# Altium PCB Arribada-PMP-PCB_ALEKSEJ_nov.-02-115654-2020_Conflict.PcbDoc (part 3 of 4)
Units mm, origin at the board's own origin, x right, y up, seen from the top; angles counter-clockwise.
Board outline 176.52 x 112.75 mm, 2 copper layers (Top Layer, Bottom Layer), stack 1.671 mm thick; 155 components, 107 nets, 633 pads, 982 vias.
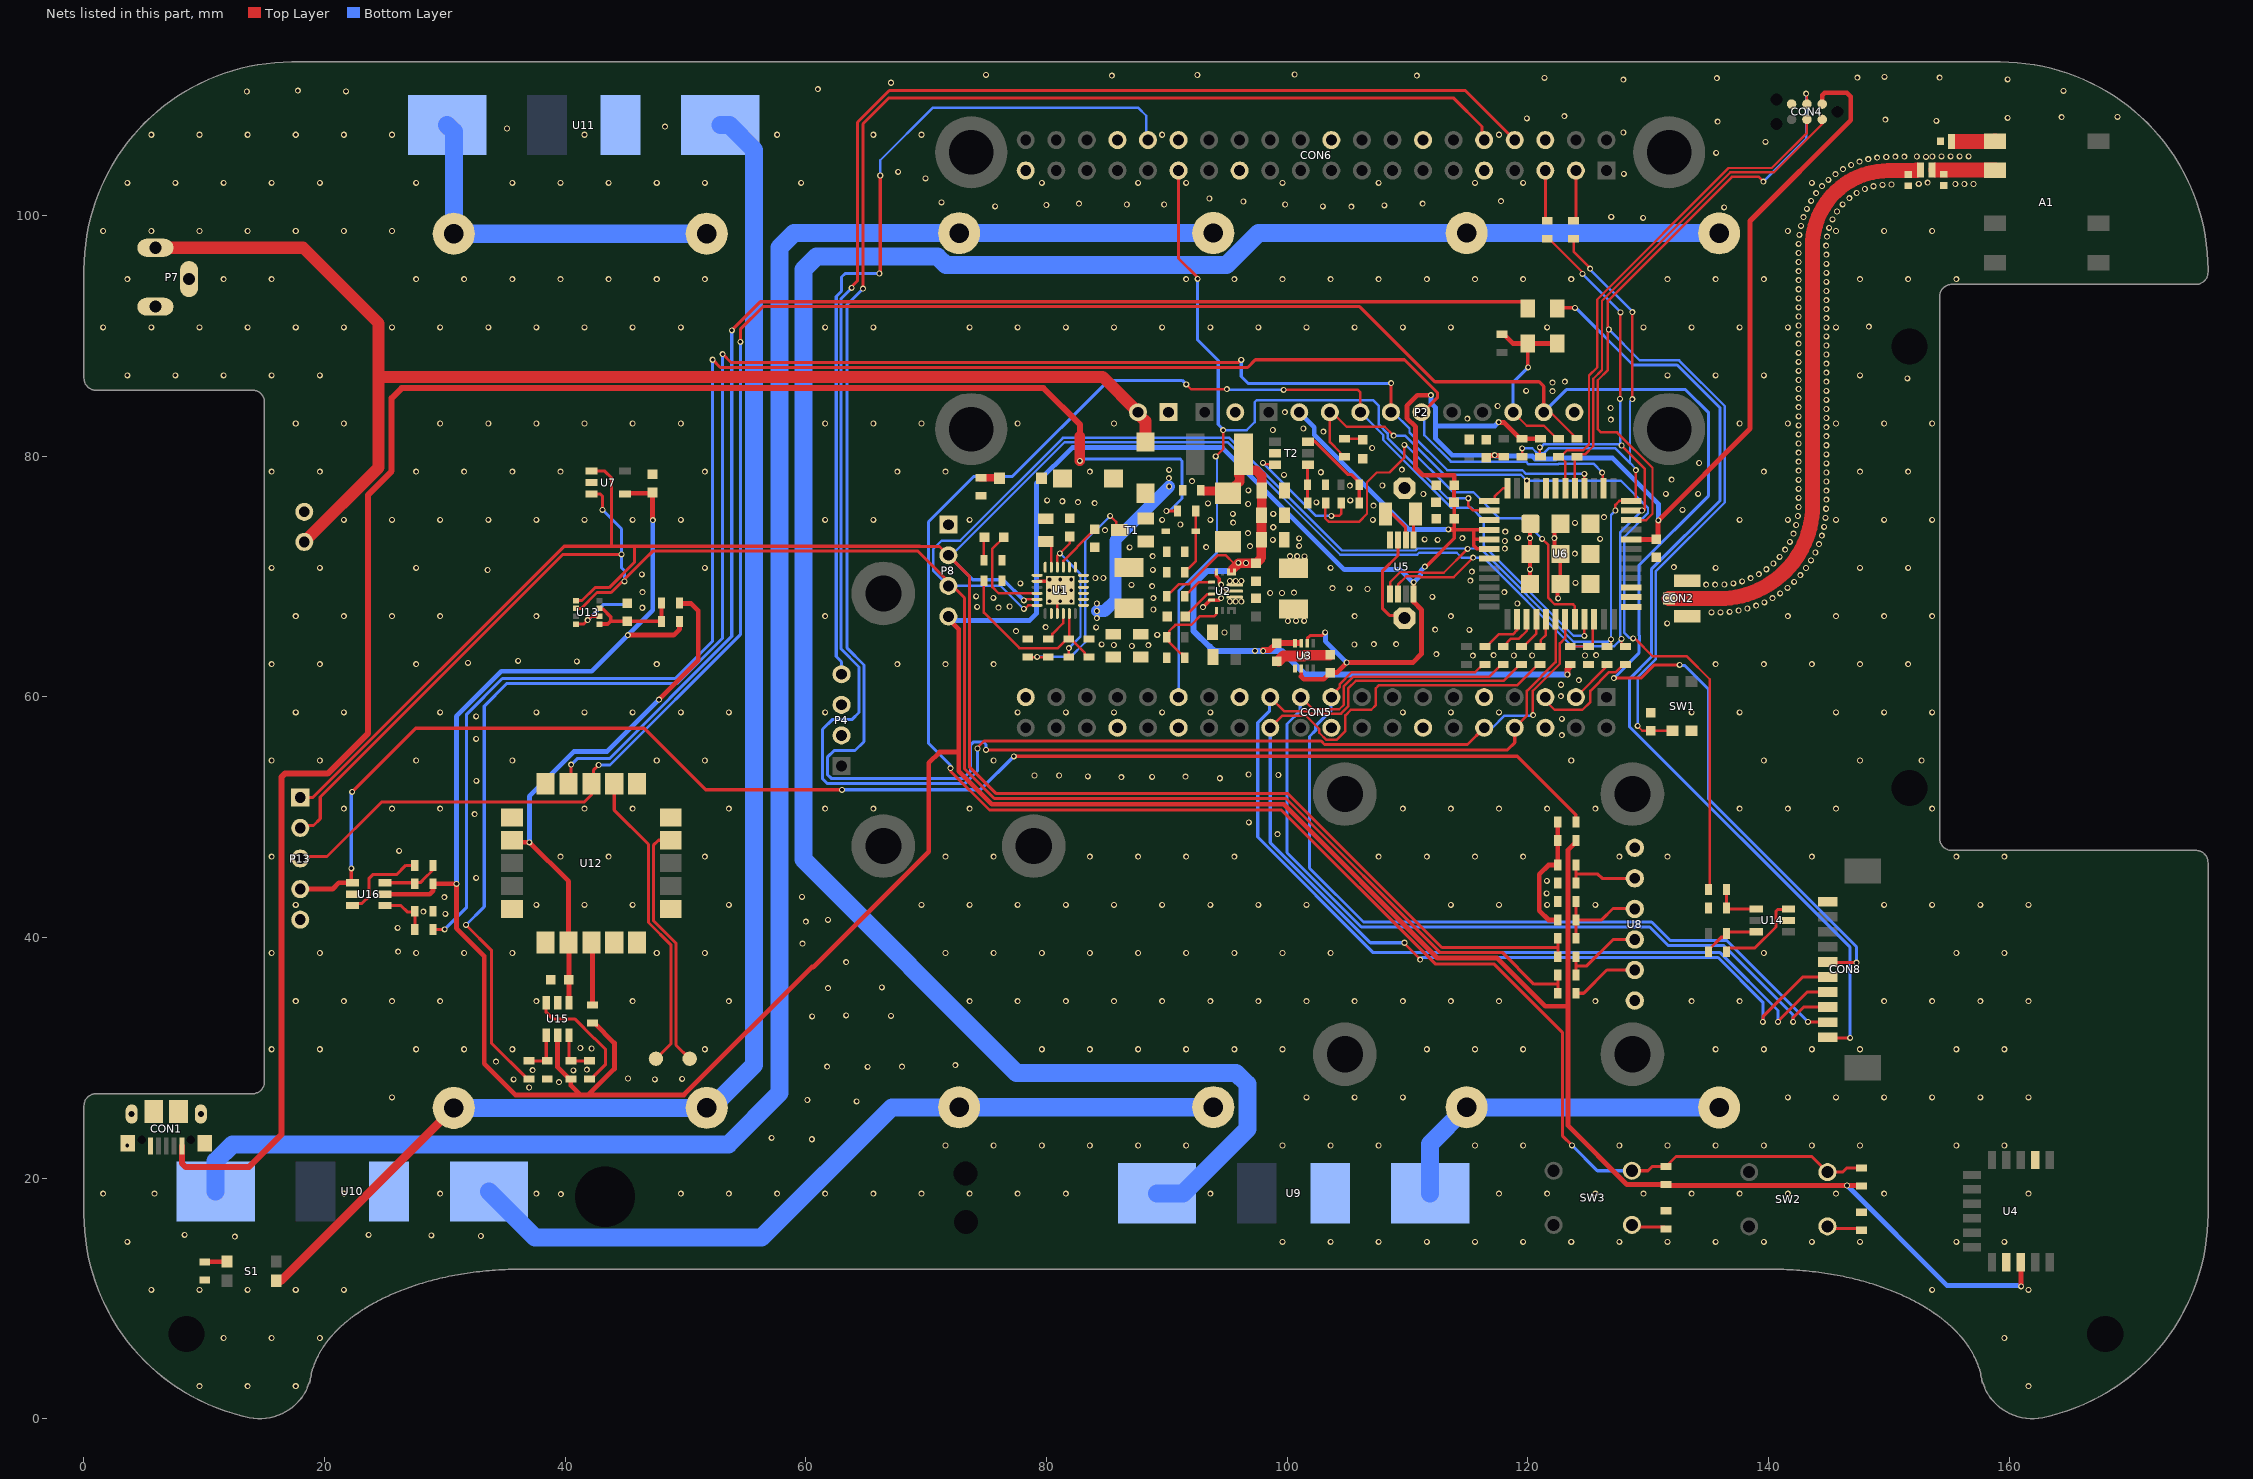
[diagram p3: the nets of this part, all layers, seen from the top]

## Via types
v1: diameter 0.5, hole 0.3, Top Layer to Bottom Layer, tented both sides, 970 vias
v2: diameter 0.7, hole 0.5, Top Layer to Bottom Layer, tented both sides, 10 vias
v3: diameter 0.5, hole 0.3, Top Layer to Bottom Layer, 2 vias

## Nets (pads, with @x,y where several pads share a name; then routed paths per layer and width w, separated by ;. In a path a pad name is that pad's centre, name@x,y a point inside that pad or via, vN(x,y) a via of type N, cw(c..) or ccw(c..) an arc to the next point about the centre after c; other vN are vias at no path point) (continued)
GND: C1.2 C2.2 C4.2 C5.2 C6.1 C7.1 C8.1 C9.1 C10.1 C11.1 C12.1 C13.1 C14.2 C15.2 C16.1 C17.1 C18.1 C19.1 C20.1 C22.2 C23.2 C24.1 C25.1 C26.1 CON1.5 CON1.6 CON1.7 CON1.8 CON1.9 CON1.10 CON1.11 CON2.2 CON3.NEG CON4.5 CON5.6 CON5.9 CON5.14 CON5.20 CON5.25 CON5.30 CON5.34 CON5.39 CON6.6 CON6.9 CON6.14 CON6.20 CON6.25 CON6.30 CON6.34 CON6.39 CON7.2 CON8.10 D1.2 D7.1 L3.1 L4.1 L5.1 P1.2 P2.11 P3.1 P4.2 P4.3 P7.2 P7.3 P8.1 P13.5 R2.1 R8.1 R10.1 R12.1 R13.1 R14.1 R15.1 R20.2 R32.1 R39.1 R40.2 R41.1 R47.2 R49.2 R51.2 R53.2 R62.2 SW1.1 T1.2 T2.5 U1.2 U1.8 U1.9 U1.17 U1.18 U1.25 U2.4 U2.10 U2.15 U3.0 U3.1 U4.2 U4.13 U5.4 U6.3 U6.7 U6.25 U6.27 U6.43 U6.44 U6.49 U6.50 U6.51 U6.52 U6.53 U6.54 U6.55 U6.56 U6.57 U7.2 U8.1 U8.6 U9.3 U10.3 U11.3 U12.1 U12.4 U12.5 U12.6 U12.10 U12.11 U12.15 U12.16 U12.20 U13.1 U13.7 U14.5 U15.5 U16.5 | length 30.1
  Top Layer w0.203: U1.9@80.887,66.926 80.887,68.601 v1(81.137,68.851)
  Top Layer w0.254: U13.1@40.89,66.046 41.535,66.046 v1(41.86,66.371) 42.185,66.696 U13.7@42.83,66.696
  Top Layer w0.3: U1.2@79.212,69.601 80.387,69.601 v1(81.137,68.851) ; v1(92.997,67.451) 93.577,68.031 U2.4@93.714,68.031 94.342,68.031 v1(94.507,68.196) ; U2.15@94.114,70.381 94.114,70.052 94.357,69.81 94.357,69.471 v1(94.507,69.321) ; C13.1@99.112,62.963 C13.1@99.262,62.963 ; U3.0@101.397,63.401 U3.0@101.45,63.454 ; C14.2@103.53,63.454 C14.2@103.584,63.508 ; U6.55@120.174,69.381 v1(120.174,70.591) 120.174,74.356 U6.49@120.199,74.381 ; v1(122.517,68.181) 122.517,68.168 122.454,68.105 122.454,69.136 U6.56@122.699,69.381 U6.53@122.699,71.881 122.207,72.373 122.207,73.889 U6.50@122.699,74.381
  Top Layer w0.9: C13.1@99.262,62.963 99.699,63.401 U3.0@101.397,63.401 ; U3.0@101.45,63.454 C14.2@103.53,63.454
  Bottom Layer w0.254: v1(41.86,66.371) 43.15,67.661 45.305,67.661
  other v1: 9.601,2.71 13.601,2.71 17.601,2.71 161.601,2.71 11.601,6.71 15.601,6.71 19.601,6.71 159.601,6.71 5.601,10.71 9.601,10.71 13.601,10.71 17.601,10.71 21.601,10.71 153.601,10.71 161.601,10.71 3.601,14.71 99.601,14.71 103.601,14.71 107.601,14.71 111.601,14.71 115.601,14.71 119.601,14.71 123.601,14.71 127.601,14.71 131.601,14.71 135.601,14.71 139.601,14.71 143.601,14.71 147.601,14.71 155.601,14.71 159.601,14.71 12.535,15.141 32.985,15.191 28.875,15.251 8.365,15.291 23.655,15.291 39.635,18.671 1.601,18.71 5.865,18.711 21.601,18.71 29.601,18.71 37.601,18.71 49.601,18.71 53.601,18.71 57.601,18.71 61.601,18.71 65.601,18.71 69.601,18.71 73.601,18.71 77.601,18.71 81.601,18.71 93.601,18.71 117.601,18.71 121.601,18.71 125.601,18.71 129.601,18.71 133.601,18.71 137.601,18.71 141.601,18.71 145.601,18.71 149.601,18.71 161.601,18.71 3.601,22.71 71.601,22.71 75.601,22.71 79.601,22.71 83.601,22.71 87.601,22.71 91.601,22.71 99.601,22.71 103.601,22.71 107.601,22.71 115.601,22.71 119.601,22.71 127.601,22.71 131.601,22.71 135.601,22.71 139.601,22.71 143.601,22.71 147.601,22.71 155.601,22.71 159.601,22.71 60.485,23.231 57.145,23.341 64.215,26.381 60.115,26.491 25.601,26.71 101.601,26.71 105.601,26.71 109.601,26.71 141.601,26.71 145.601,26.71 149.601,26.71 153.601,26.71 157.601,26.71 161.601,26.71 36.995,27.531 39.475,27.981 35.715,28.211 47.445,28.211 49.715,28.251 45.215,28.281 37.285,28.971 40.675,28.961 41.795,29.011 65.125,29.241 61.765,29.271 67.985,29.271 72.415,29.381 34.245,29.681 15.601,30.71 19.601,30.71 27.601,30.71 31.601,30.71 35.601,30.71 51.601,30.71 79.601,30.71 83.601,30.71 87.601,30.71 91.601,30.71 95.601,30.71 99.601,30.71 111.601,30.71 115.601,30.71 119.601,30.71 135.601,30.71 139.601,30.71 143.601,30.71 147.601,30.71 155.601,30.71 159.601,30.71 42.195,30.771 41.255,30.811 60.515,33.451 67.065,33.481 63.345,33.521 17.601,34.71 21.601,34.71 25.601,34.71 29.601,34.71 37.601,34.71 45.601,34.71 53.601,34.71 73.601,34.71 77.601,34.71 81.601,34.71 85.601,34.71 89.601,34.71 93.601,34.71 97.601,34.71 101.601,34.71 105.601,34.71 109.601,34.71 113.601,34.71 117.601,34.71 125.601,34.71 133.601,34.71 137.601,34.71 149.601,34.71 153.601,34.71 157.601,34.71 161.601,34.71 61.835,35.791 66.305,35.861 63.335,37.951 15.601,38.71 19.601,38.71 27.601,38.71 31.601,38.71 35.601,38.71 47.601,38.71 51.601,38.71 71.601,38.71 75.601,38.71 79.601,38.71 83.601,38.71 87.601,38.71 91.601,38.71 95.601,38.71 99.601,38.71 103.601,38.71 139.601,38.71 155.601,38.71 159.601,38.71 26.105,38.821 59.715,39.491 26.065,40.801 59.985,41.311 61.835,41.461 30.035,41.961 28.205,42.151 17.601,42.71 37.601,42.71 41.601,42.71 45.601,42.71 53.601,42.71 69.601,42.71 73.601,42.71 77.601,42.71 81.601,42.71 85.601,42.71 89.601,42.71 93.601,42.71 97.601,42.71 101.601,42.71 113.601,42.71 117.601,42.71 121.601,42.71 125.601,42.71 149.601,42.71 153.601,42.71 157.601,42.71 161.601,42.71 29.955,43.351 59.675,43.371 121.551,43.67 121.571,44.71 32.595,44.961 15.601,46.71 39.601,46.71 43.601,46.71 51.601,46.71 71.601,46.71 75.601,46.71 83.601,46.71 87.601,46.71 91.601,46.71 95.601,46.71 107.601,46.71 111.601,46.71 115.601,46.71 119.601,46.71 127.601,46.71 131.601,46.71 143.601,46.71 155.601,46.71 159.601,46.71 26.195,47.191 99.185,48.581 96.815,49.561 32.465,50.251 21.601,50.71 25.601,50.71 29.601,50.71 41.601,50.71 45.601,50.71 53.601,50.71 61.601,50.71 65.601,50.71 73.601,50.71 109.601,50.71 113.601,50.71 117.601,50.71 121.601,50.71 125.601,50.71 137.601,50.71 141.601,50.71 145.601,50.71 153.601,50.71 32.615,53.011 94.405,53.231 86.205,53.321 88.765,53.351 91.545,53.371 83.435,53.391 78.995,53.461 81.035,53.461 99.255,53.501 96.795,53.541 15.601,54.71 19.601,54.71 27.601,54.71 35.601,54.71 47.601,54.71 51.601,54.71 75.601,54.71 123.601,54.71 139.601,54.71 147.601,54.71 152.726,54.71 32.595,56.511 122.825,56.811 122.815,58.171 32.595,58.371 17.601,58.71 21.601,58.71 29.601,58.71 37.601,58.71 41.601,58.71 45.601,58.71 49.601,58.71 53.601,58.71 61.601,58.71 77.601,58.71 81.601,58.71 85.601,58.71 89.601,58.71 93.601,58.71 109.601,58.71 113.601,58.71 117.601,58.71 133.601,58.71 137.601,58.71 145.601,58.71 149.601,58.71 153.601,58.71 122.735,60.051 122.745,61.001 124.225,61.391 15.601,62.71 19.601,62.71 27.601,62.71 47.601,62.71 67.601,62.71 71.601,62.71 75.601,62.71 135.601,62.71 139.601,62.71 143.601,62.71 147.601,62.71 151.601,62.71 31.915,62.821 40.965,62.951 36.085,62.991 115.422,63.426 118.827,63.431 120.345,63.431 124.745,63.431 117.155,63.461 125.665,63.461 112.385,63.541 87.085,64.221 85.585,64.301 88.455,64.291 84.575,64.361 105.575,64.351 107.195,64.371 109.055,64.371 89.195,65.151 94.785,65.341 77.455,65.461 112.285,65.581 115.135,65.561 79.915,65.781 84.115,65.771 131.575,66.101 17.601,66.71 21.601,66.71 25.601,66.71 29.601,66.71 37.601,66.71 61.601,66.71 105.601,66.71 113.601,66.71 141.601,66.71 145.601,66.71 149.601,66.71 153.601,66.71 135.252,67.02 136.006,67.026 136.759,67.063 137.506,67.17 88.875,67.251 138.241,67.339 46.405,67.401 76.005,67.411 74.235,67.471 76.935,67.501 138.959,67.569 119.125,67.751 139.656,67.857 80.237,67.951 81.137,67.951 82.037,67.951 88.875,68.191 75.575,68.221 140.326,68.202 112.055,68.301 74.145,68.351 140.965,68.601 98.577,68.631 99.558,68.631 100.557,68.651 46.415,68.691 118.035,68.701 94.614,68.781 80.237,68.851 82.037,68.851 106.665,68.961 105.165,69.011 103.755,69.031 141.57,69.053 88.775,69.201 87.055,69.311 134.811,69.322 135.565,69.322 136.319,69.335 77.817,69.426 137.068,69.423 123.955,69.471 142.128,69.559 137.802,69.597 115.215,69.651 80.237,69.751 81.137,69.751 82.037,69.751 84.047,69.871 84.717,69.871 138.511,69.854 142.641,70.111 46.365,70.171 139.186,70.19 115.345,70.401 33.555,70.541 88.835,70.551 139.818,70.601 15.601,70.71 19.601,70.71 27.601,70.71 51.601,70.71 103.601,70.71 135.601,70.71 143.107,70.705 147.601,70.71 151.601,70.71 132.135,70.781 140.399,71.082 143.521,71.335 140.921,71.626 88.815,71.691 123.905,71.891 143.882,71.997 141.377,72.226 118.085,72.311 86.905,72.421 93.265,72.431 96.905,72.521 100.985,72.551 144.187,72.686 141.762,72.874 118.085,72.951 112.495,73.041 98.795,73.051 111.425,73.091 126.005,73.121 100.995,73.171 114.545,73.191 120.177,73.191 122.197,73.191 119.155,73.211 144.433,73.399 142.07,73.563 96.735,73.601 118.115,73.731 84.855,73.851 98.835,74.091 144.616,74.13 142.297,74.282 91.115,74.321 95.505,74.471 123.915,74.451 21.601,74.71 25.601,74.71 29.601,74.71 33.601,74.71 37.601,74.71 41.601,74.71 45.601,74.71 49.601,74.71 61.601,74.71 65.601,74.71 73.601,74.71 89.601,74.71 93.601,74.71 107.115,74.711 137.601,74.71 141.601,74.71 145.601,74.71 149.601,74.71 153.601,74.71 144.73,74.876 126.325,74.931 142.44,75.022 98.835,75.201 95.475,75.211 132.845,75.531 144.782,75.628 142.498,75.774 107.165,75.881 96.755,76.021 93.415,76.081 83.985,76.101 102.415,76.161 82.605,76.181 81.315,76.251 80.045,76.321 105.235,76.321 144.797,76.382 142.495,76.528 111.305,76.851 131.465,76.871 134.145,76.871 144.797,77.136 96.765,77.151 142.495,77.282 105.205,77.541 107.905,77.561 144.797,77.89 92.085,77.921 131.945,78.051 142.495,78.036 99.725,78.451 102.785,78.661 144.797,78.644 15.601,78.71 19.601,78.71 27.601,78.71 31.601,78.71 35.601,78.71 39.601,78.71 51.601,78.71 67.601,78.71 71.601,78.71 83.601,78.71 139.601,78.71 147.601,78.71 151.601,78.71 142.495,78.79 109.525,78.871 144.797,79.398 134.225,79.431 142.495,79.544 144.797,80.152 142.495,80.298 107.055,80.681 144.797,80.906 142.495,81.052 144.797,81.66 142.495,81.806 103.005,82.031 98.795,82.171 101.335,82.301 144.797,82.414 142.495,82.56 17.601,82.71 21.601,82.71 29.601,82.71 33.601,82.71 37.601,82.71 41.601,82.71 45.601,82.71 49.601,82.71 61.601,82.71 65.601,82.71 69.601,82.71 77.601,82.71 85.601,82.71 137.601,82.71 141.601,82.71 145.601,82.71 149.601,82.71 153.601,82.71 126.885,83.031 114.96,83.115 144.797,83.168 142.495,83.314 99.805,83.651 144.797,83.922 126.875,84.001 142.495,84.068 117.485,84.167 144.797,84.676 142.495,84.822 122.045,85.401 119.855,85.431 144.797,85.43 142.495,85.576 122.045,86.111 123.075,86.191 144.797,86.184 142.495,86.33 151.526,86.46 3.601,86.71 7.601,86.71 11.601,86.71 15.601,86.71 19.601,86.71 131.601,86.71 135.601,86.71 139.601,86.71 147.601,86.71 144.797,86.938 142.495,87.084 144.797,87.692 142.495,87.838 144.797,88.446 142.495,88.592 144.797,89.2 142.495,89.346 144.797,89.954 142.495,90.1 1.601,90.71 5.601,90.71 9.601,90.71 13.601,90.71 17.601,90.71 21.601,90.71 25.601,90.71 29.601,90.71 33.601,90.71 37.601,90.71 41.601,90.71 45.601,90.71 49.601,90.71 61.601,90.71 65.601,90.71 73.601,90.71 77.601,90.71 81.601,90.71 85.601,90.71 89.601,90.71 93.601,90.71 97.601,90.71 101.601,90.71 105.601,90.71 109.601,90.71 113.601,90.71 121.601,90.71 129.601,90.71 133.601,90.71 137.601,90.71 141.601,90.71 144.797,90.708 145.601,90.71 148.326,90.76 142.495,90.854 144.797,91.462 142.495,91.608 144.797,92.216 142.495,92.362 144.797,92.97 142.495,93.116 144.797,93.724 142.495,93.87 144.797,94.478 142.495,94.624 3.601,94.71 11.601,94.71 15.601,94.71 27.601,94.71 31.601,94.71 35.601,94.71 39.601,94.71 43.601,94.71 47.601,94.71 51.601,94.71 91.601,94.71 95.601,94.71 99.601,94.71 103.601,94.71 107.601,94.71 111.601,94.71 115.601,94.71 119.601,94.71 123.601,94.71 131.601,94.71 135.601,94.71 139.601,94.71 147.601,94.71 151.601,94.71 155.601,94.71 144.797,95.232 142.495,95.378 144.797,95.986 142.495,96.132 144.797,96.74 142.495,96.886 144.79,97.494 142.506,97.64 144.857,98.245 142.562,98.392 1.601,98.71 5.601,98.71 9.601,98.71 13.601,98.71 17.601,98.71 21.601,98.71 25.601,98.71 141.601,98.71 145.601,98.71 149.601,98.71 153.601,98.71 145.032,98.978 142.693,99.134 145.311,99.678 129.575,99.801 142.901,99.859 126.925,99.881 145.689,100.331 143.186,100.557 136.305,100.671 105.325,100.731 75.725,100.761 102.965,100.761 108.075,100.841 79.985,100.871 86.665,100.911 89.775,100.911 99.825,100.911 146.157,100.922 82.695,100.981 111.255,100.981 71.265,101.091 96.355,101.161 117.765,101.191 143.539,101.223 93.525,101.411 146.706,101.439 143.957,101.85 147.324,101.871 148.001,102.203 144.437,102.433 148.72,102.43 149.464,102.55 150.218,102.575 152.479,102.624 155.521,102.617 156.275,102.617 157.029,102.617 3.601,102.71 7.601,102.71 11.601,102.71 15.601,102.71 19.601,102.71 27.601,102.71 35.601,102.71 39.601,102.71 43.601,102.71 47.601,102.71 51.601,102.71 59.601,102.71 79.601,102.71 87.601,102.71 91.601,102.71 99.601,102.71 107.601,102.71 115.601,102.71 119.601,102.71 143.601,102.71 153.225,102.732 144.972,102.964 69.935,103.091 145.558,103.438 127.965,103.461 67.655,103.621 146.188,103.852 146.857,104.2 147.557,104.479 148.283,104.684 149.026,104.813 149.778,104.863 153.078,104.871 150.532,104.882 151.286,104.894 152.324,104.902 153.616,104.902 154.37,104.919 155.124,104.919 155.878,104.919 156.632,104.919 135.645,105.201 139.745,106.121 5.601,106.71 9.601,106.71 13.601,106.71 17.601,106.71 21.601,106.71 25.601,106.71 41.601,106.71 57.601,106.71 65.601,106.71 69.601,106.71 89.601,106.71 117.601,106.71 127.935,106.901 35.155,107.231 48.285,107.381 135.765,107.791 153.935,107.871 149.705,107.971 119.905,108.071 159.865,108.121 164.355,108.171 168.995,108.201 123.025,108.251 13.535,110.301 21.775,110.321 164.505,110.351 17.775,110.371 60.985,110.501 67.065,111.031 127.935,111.291 159.865,111.311 135.695,111.411 121.375,111.441 147.375,111.461 154.215,111.461 149.635,111.521 85.415,111.621 110.775,111.621 92.535,111.671 74.965,111.691 100.615,111.721
GPIO_BCM5: CON5.29 CON6.29 U6.2 | length 76.2
  Top Layer w0.203: v1(94.057,79.981) 94.677,80.601 v1(94.677,82.161) ; v1(115.057,76.501) 115.057,75.861 115.432,75.486 U6.2@116.797,75.486
  Top Layer w0.254: CON6.29@90.964,103.731 90.964,96.433 92.555,94.841 v1(92.555,94.731)
  Bottom Layer w0.203: CON5.29@90.965,59.968 90.965,68.786 94.162,71.984 94.162,79.876 v1(94.057,79.981) ; v1@94.798,82.156 96.624,82.156 97.297,82.828 97.297,84.485 97.466,84.655 99.312,84.655 99.316,84.652 100.577,84.652 100.581,84.655 107.12,84.655 107.617,84.159 107.617,84.071 107.613,84.067 107.613,82.618 108.338,81.893 108.338,81.495 113.331,76.501 v1(115.057,76.501)
  Bottom Layer w0.254: v1(92.555,94.731) 92.555,89.651 94.265,87.941 94.265,82.624 94.677,82.212 v1(94.677,82.161)
GPIO_FET: R19.2 U6.20 | length 36.2
  Top Layer w0.203: R19.2@103.197,76.101 103.161,76.065 103.161,74.832 103.456,74.537 105.951,74.537 106.627,75.213 106.627,77.826 107.442,78.641 108.485,78.641 109.732,79.888 v1(109.732,80.931) ; v1(121.187,73.121) 121.695,72.614 121.695,68.213 122.231,67.677 123.751,67.677 123.899,67.529 U6.20@123.899,66.432
  Bottom Layer w0.203: v1(109.732,80.931) 109.849,80.931 113.775,77.005 115.453,77.005 117.631,74.827 119.481,74.827 v1(121.187,73.121)
GPIO_FLASH: CON6.32 P4.4 | length 72.9
  Top Layer w0.203: v1(66.176,103.321) v1@66.314,103.321
  Top Layer w0.254: v1(66.105,95.181) 66.176,95.252 v1(66.176,103.321)
  Bottom Layer w0.203: v1(66.176,103.321) 66.176,104.592 70.525,108.941 87.635,108.941 88.285,108.291 88.285,106.41 CON6.32@88.424,106.271
  Bottom Layer w0.254: P4.4@62.962,61.408 P4.4@62.962,61.873 62.962,62.904 62.519,63.348 62.519,93.269 62.962,93.713 62.962,94.888 63.255,95.181 v1(66.105,95.181)
GPIO_PA5: P2.4 R36.1 R46.1 SW2.4 SW3.4 U6.21 | length 189.1
  Top Layer w0.203: v1(91.606,85.961) 92.006,85.561 v1(94.986,85.561) ; v1(99.706,85.511) 105.868,85.511 106.077,85.302 P2.4@106.077,83.651 ; v1(124.696,65.063) 124.699,65.066 U6.21@124.699,66.432
  Top Layer w0.254: v1(72.015,54.071) 72.015,53.826 75.255,50.586 99.503,50.586 112.286,37.803 117.164,37.803 122.855,32.112 122.855,23.531 v1(123.665,22.721) ; SW3.4@128.641,20.613 129.977,20.613 130.327,20.963 R46.1@131.481,20.963 132.31,21.791 143.593,21.791 SW2.4@144.891,20.493 146.147,20.493 146.497,20.843 R36.1@147.721,20.843
  Bottom Layer w0.203: v1(94.986,85.561) 95.011,85.536 99.681,85.536 v1(99.706,85.511) ; P2.4@106.077,83.651 107.982,81.746 107.982,81.348 113.608,75.721 115.291,75.721 116.315,74.697 116.315,72.56 123.811,65.063 v1(124.696,65.063)
  Bottom Layer w0.254: v1(72.015,54.071) 72.015,54.3 70.186,56.129 70.186,74.545 73.96,78.319 77.17,78.319 85.152,86.302 91.265,86.302 v1(91.606,85.961) ; v1(123.665,22.721) 125.773,20.613 SW3.4@128.641,20.613
GPIO_PB5: P2.5 R50.2 U6.40 | length 159
  Top Layer w0.203: v1(124.687,78.521) 124.697,78.511 124.697,77.346 U6.40@124.707,77.336
  Top Layer w0.254: v1(31.746,41.041) 33.885,38.902 33.885,31.19 36.827,28.248 R50.2@36.977,28.248 ; v1(53.076,88.481) 53.778,87.779 95.953,87.779 v1(96.176,88.001) ; P2.5@108.617,83.651 108.626,83.66 108.626,86.052 v1(108.636,86.061)
  Bottom Layer w0.203: P2.5@108.797,83.651 110.156,82.292 110.156,81.98 113.297,78.839 119.532,78.839 119.85,78.521 v1(124.687,78.521)
  Bottom Layer w0.254: v1(31.746,41.041) 33.266,42.561 33.266,59.222 35.159,61.115 49.299,61.115 53.076,64.892 v1(53.076,88.481) ; v1(96.176,88.001) 96.176,86.611 96.746,86.041 108.615,86.041 v1(108.636,86.061)
GPIO_PB7: P2.6 R52.2 U6.38 | length 149.5
  Top Layer w0.203: v1(126.174,78.626) 126.23,78.569 126.23,77.402 U6.38@126.297,77.336
  Top Layer w0.254: R52.2@28.996,40.661 29.006,40.671 v1(29.976,40.671) ; v1(52.246,88.011) 52.885,87.372 96.705,87.372 97.344,88.011 109.741,88.011 112.467,85.284 112.467,84.846 111.273,83.651 P2.6@111.157,83.651
  Bottom Layer w0.203: P2.6@111.337,83.651 111.402,83.586 111.402,81.74 113.592,79.55 119.827,79.55 120.058,79.319 122.499,79.319 122.56,79.381 125.444,79.381 126.174,78.651 v1(126.174,78.626)
  Bottom Layer w0.254: v1(29.976,40.671) 31.806,42.501 31.806,58.553 34.774,61.521 49.13,61.521 52.246,64.637 v1(52.246,88.011)
GPIO_PH0: P2.3 R16.2 R48.2 U6.46 | length 71.3
  Top Layer w0.203: P2.3@103.537,83.651 103.537,81.161 104.399,80.3 104.399,80.15 104.597,79.951 R16.2@104.747,79.951 ; P2.3@103.717,83.651 104.927,82.441 108.104,82.441 v1(108.842,81.704) ; v1(128.738,64.859) 128.781,64.859 128.809,64.887 128.935,64.761 128.976,64.761 130.376,63.361 133.216,63.361 135.116,61.461 135.116,44.092 R48.2@135.006,43.983
  Bottom Layer w0.203: v1(108.842,81.704) 109.791,81.704 113.029,78.465 119.403,78.465 v1(119.907,77.961) 127.71,77.961 129.981,75.69 129.981,75.272 128.012,73.303 128.012,65.302 128.427,64.887 128.71,64.887 v1(128.738,64.859)
GPS_FET_OUT: C22.1 R64.2 U12.2 U12.17 U15.4 | length 44.7
  Top Layer w0.4: U12.17@35.571,48.081 35.74,47.911 v1(37.016,47.911) 40.271,44.656 U12.2@40.271,39.581 40.316,39.536 U15.4@40.316,34.581 ; v1(47.785,59.771) 51.045,63.031 51.045,67.161 50.455,67.751 49.495,67.751 R64.2@49.495,67.791
  Bottom Layer w0.4: v1(37.016,47.911) 37.016,51.743 40.734,55.461 43.475,55.461 v1(47.785,59.771)
GPS_RX: D8.2 U12.14 | length 112.2
  Top Layer w0.254: U12.14@40.271,52.781 40.486,52.995 v1(40.486,54.361) ; v1(53.836,90.461) 56.206,92.831 119.426,92.831 D8.2@119.986,92.271
  Bottom Layer w0.254: v1(40.486,54.361) 40.985,54.861 43.672,54.861 53.678,64.867 ; 53.717,64.911 53.836,65.029 v1(53.836,90.461)
GPS_TX: CON8.6 P2.10 P13.3 R28.2 U12.13 | length 226.9
  Top Layer w0.203: P2.10@121.317,83.651 121.866,83.651 R28.2@124.076,81.441
  Top Layer w0.254: P13.3@17.974,46.561 18.134,46.721 20.194,46.721 24.735,51.261 41.576,51.261 42.171,51.856 U12.13@42.171,52.781 42.329,52.939 42.329,53.885 v1(42.776,54.331) ; v1(54.546,89.501) 54.546,90.541 56.429,92.425 106.021,92.425 112.265,86.181 120.936,86.181 121.317,85.8 P2.10@121.317,83.651 ; v1(127.146,61.551) 129.399,61.551 130.509,62.661 v1(132.616,62.661) ; CON8.6@144.926,37.966 144.931,37.971 145.001,37.901 v1(147.306,37.901)
  Bottom Layer w0.254: v1(42.776,54.331) 43.717,54.331 54.546,65.159 v1(54.546,89.501) ; P2.10@121.317,83.651 123.196,85.531 133.095,85.531 135.016,83.609 135.016,76.717 129.217,70.918 129.217,65.129 129.267,65.078 129.267,64.64 129.217,64.589 129.217,63.622 v1(127.146,61.551) ; v1(132.616,62.661) 132.663,62.614 133.011,62.614 135.016,60.609 135.016,51.513 147.306,39.224 v1(147.306,37.901)
LORA_ANT: C21.2 CON2.1 L4.2 U6.26 | length 50.1
  Top Layer w1.25: CON2.1@131.738,68.171 135.922,68.171 ccw(c135.922,75.895) 143.646,75.895 143.646,97.441 cw(c149.926,97.441) 149.926,103.721 150.71,103.734 152.295,103.76
MCU_nRST: C15.1 CON4.3 SW1.4 U6.34 | length 94.7
  Top Layer w0.203: U6.34@128.597,74.676 129.817,74.676 130.353,75.212 130.353,79.033 127.415,81.971 126.076,81.971 125.806,82.241 125.806,86.309 126.65,87.153 126.65,90.525 126.65,91.915 126.65,92.907 136.954,103.211 139.206,103.211 139.586,102.831 v1(139.566,102.811) ; v3(129.114,57.589) 129.114,57.561 129.5,57.175 C15.1@130.2,57.175 132.002,57.175 SW1.4@132.005,57.178 ; v1(143.125,110.131) 143.182,110.074 143.182,109.959 143.185,109.956 CON4.3@143.185,109.256